# Altium PCB PCB_1313.PcbDoc (part 1 of 2)
Units mm, origin at the board's own origin, x right, y up, seen from the top; angles counter-clockwise.
Board outline 130 x 130 mm, 4 copper layers (Top Layer, Ground Layer, VCC Layer, Bottom Layer), stack 1.586 mm thick; 164 components, 132 nets, 777 pads, 544 vias.
Unrouted connection lines stored in the file: 67.
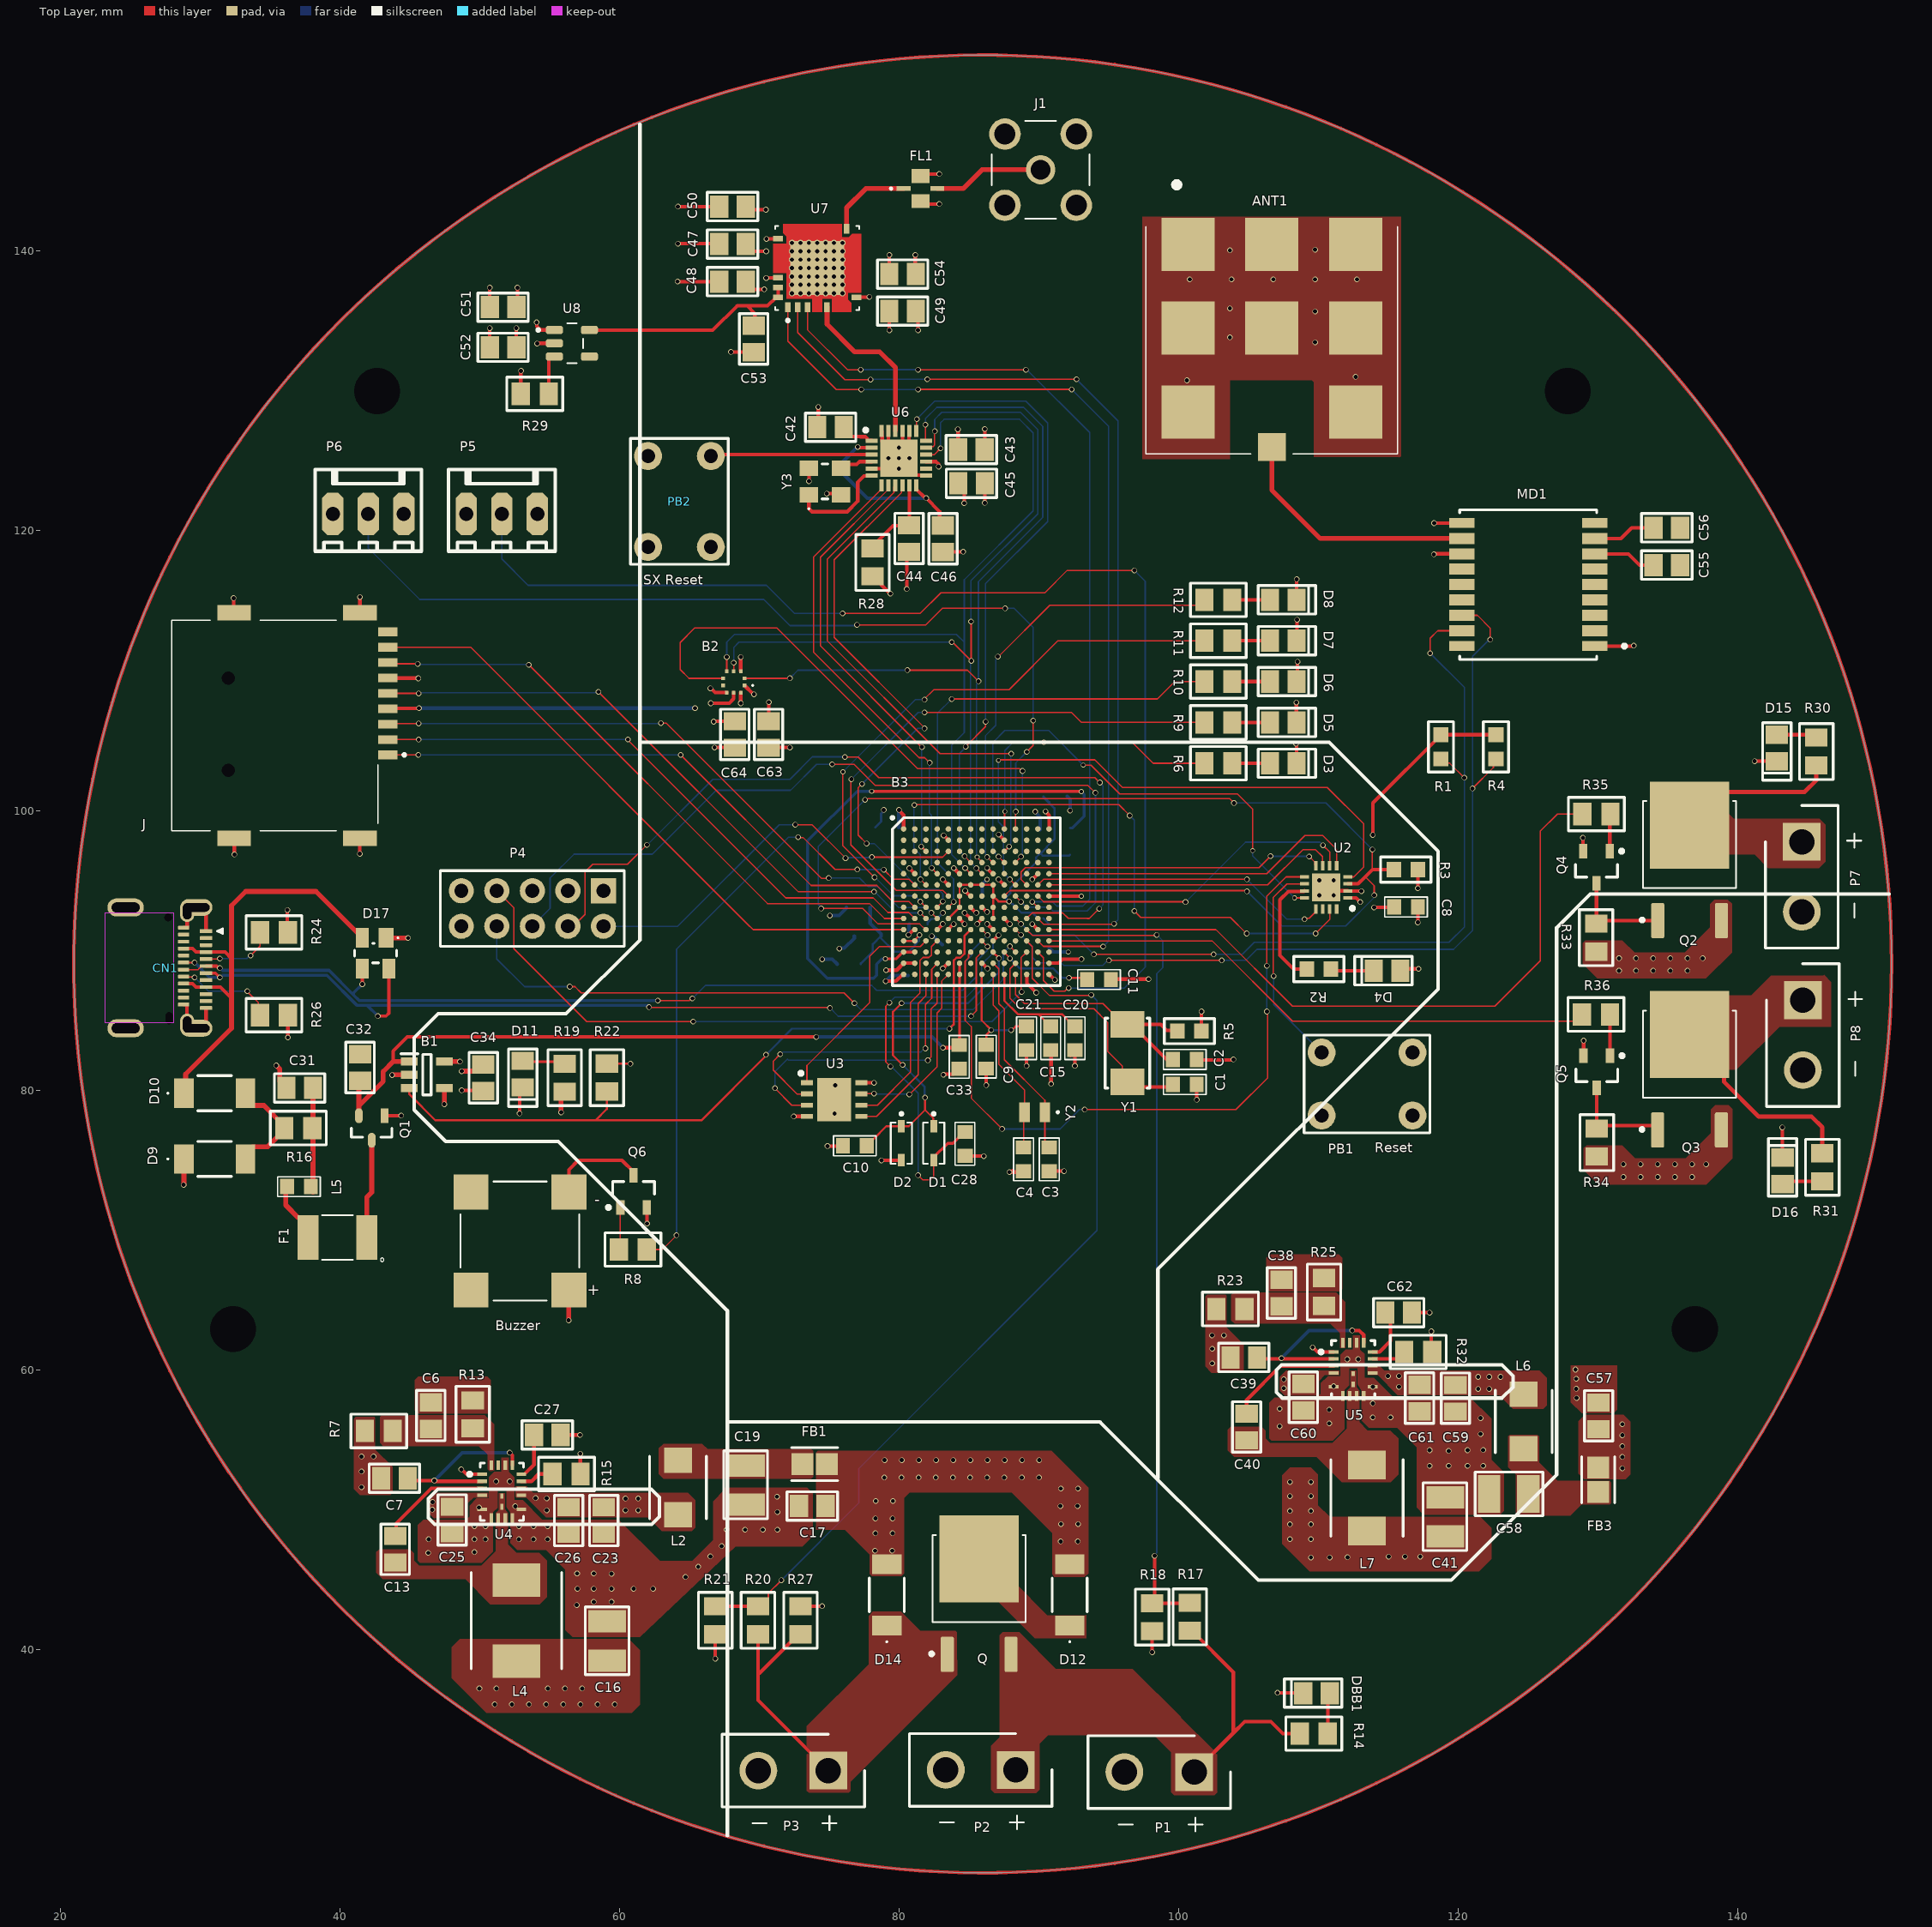
[diagram p0: Top Layer view]
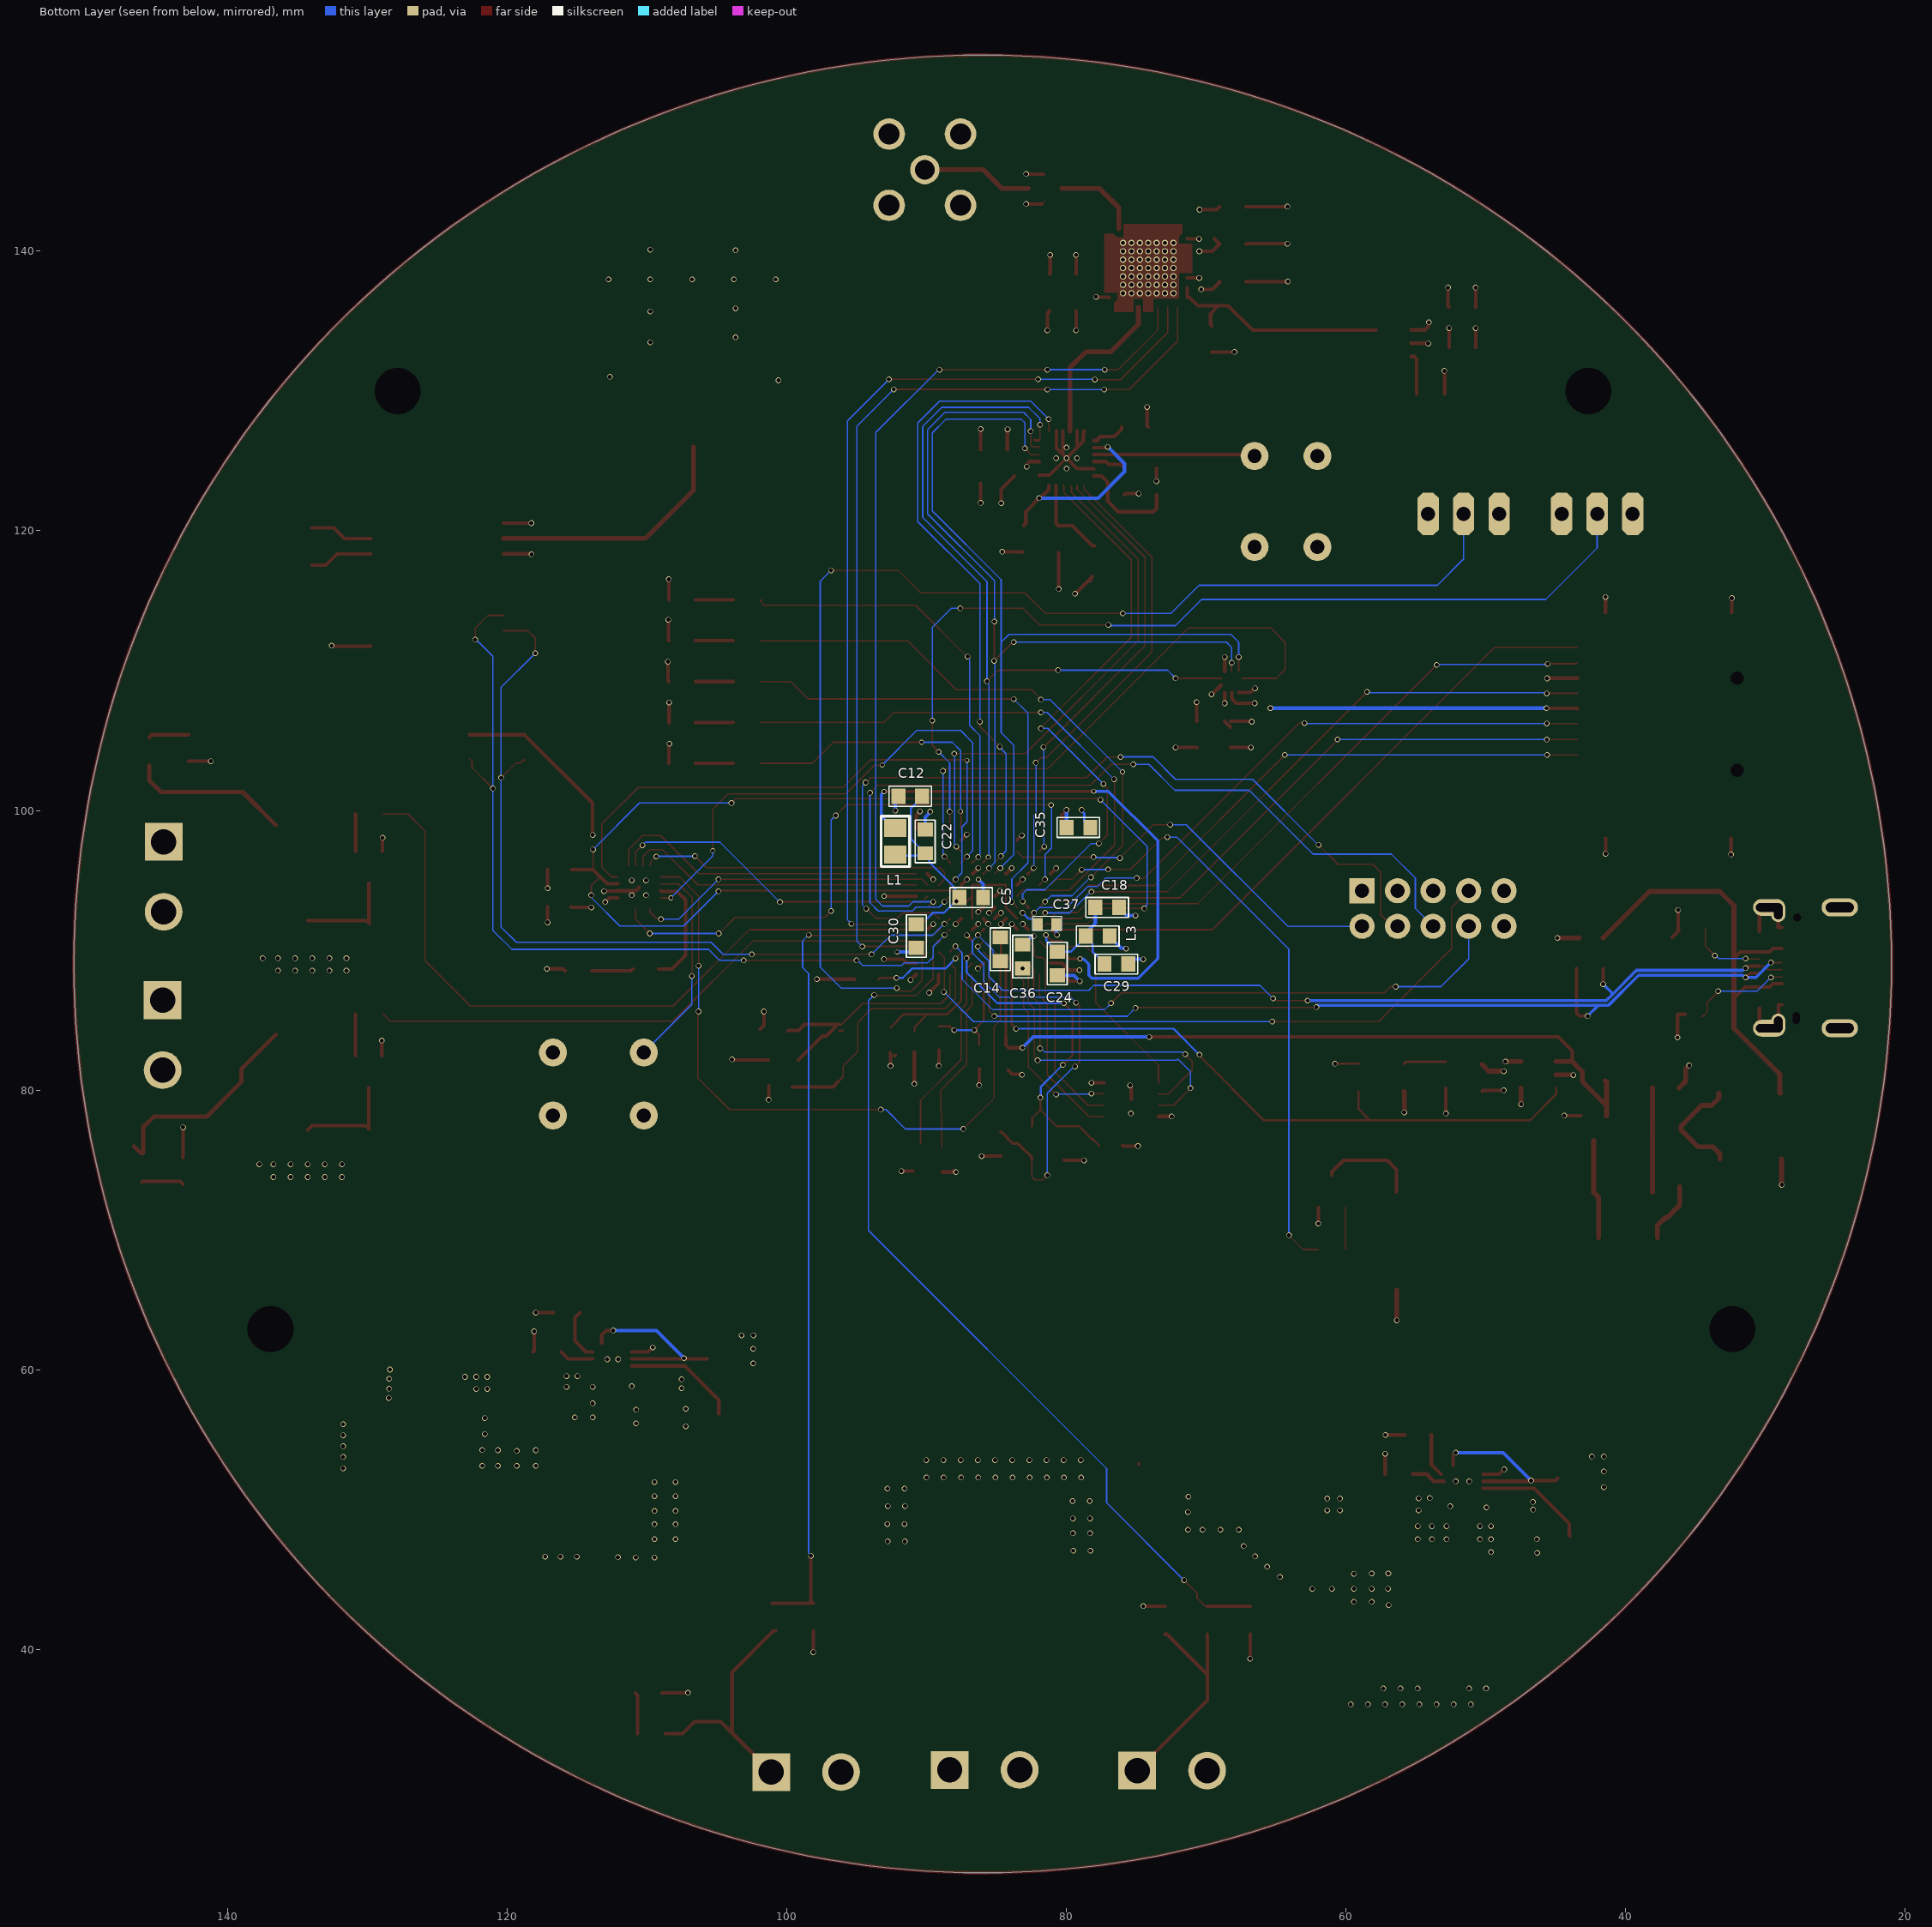
[diagram p1: Bottom Layer view, seen from below]
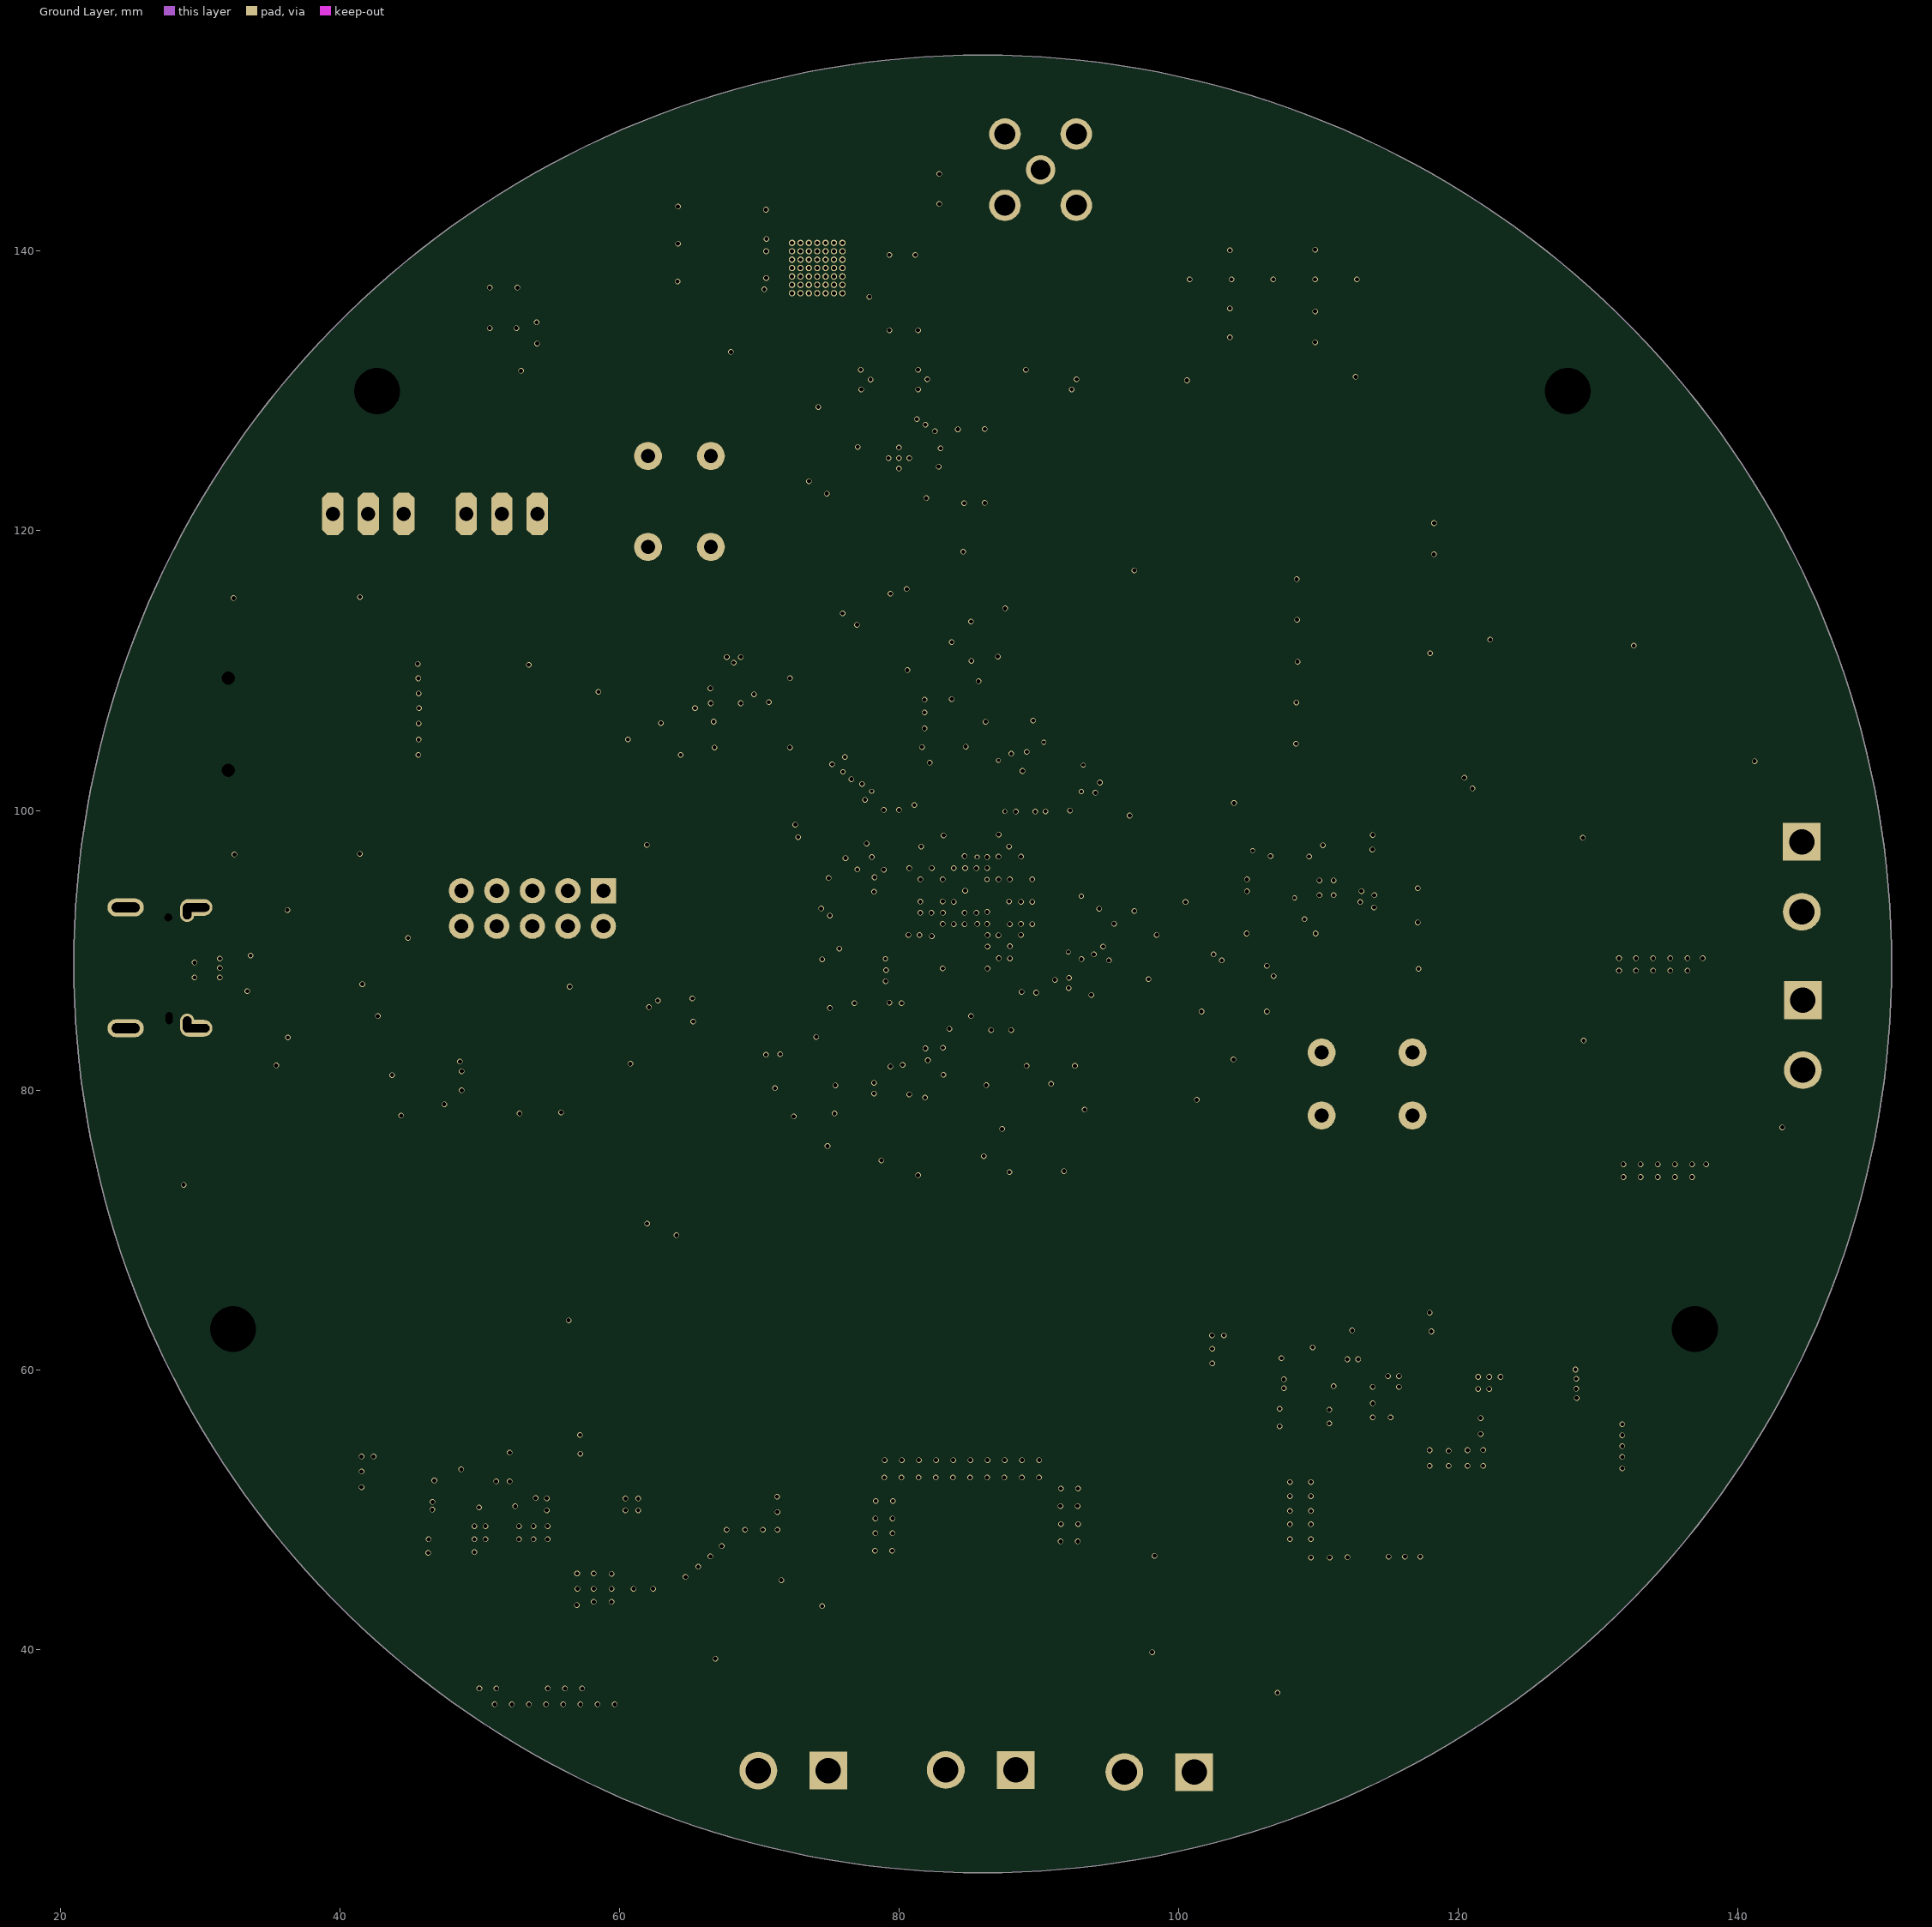
[diagram p2: Ground Layer]